# Altium PCB X98_CARRIER_V1R2_12082022.PcbDoc (part 4 of 10)
Units mm, origin at the board's own origin, x right, y up, seen from the top; angles counter-clockwise.
Board outline 100 x 72 mm, 4 copper layers (Top Layer, Layer 1, Layer 2, Bottom Layer), stack 1.543 mm thick; 772 components, 527 nets, 2344 pads, 1194 vias.
Unrouted connection lines stored in the file: 58.
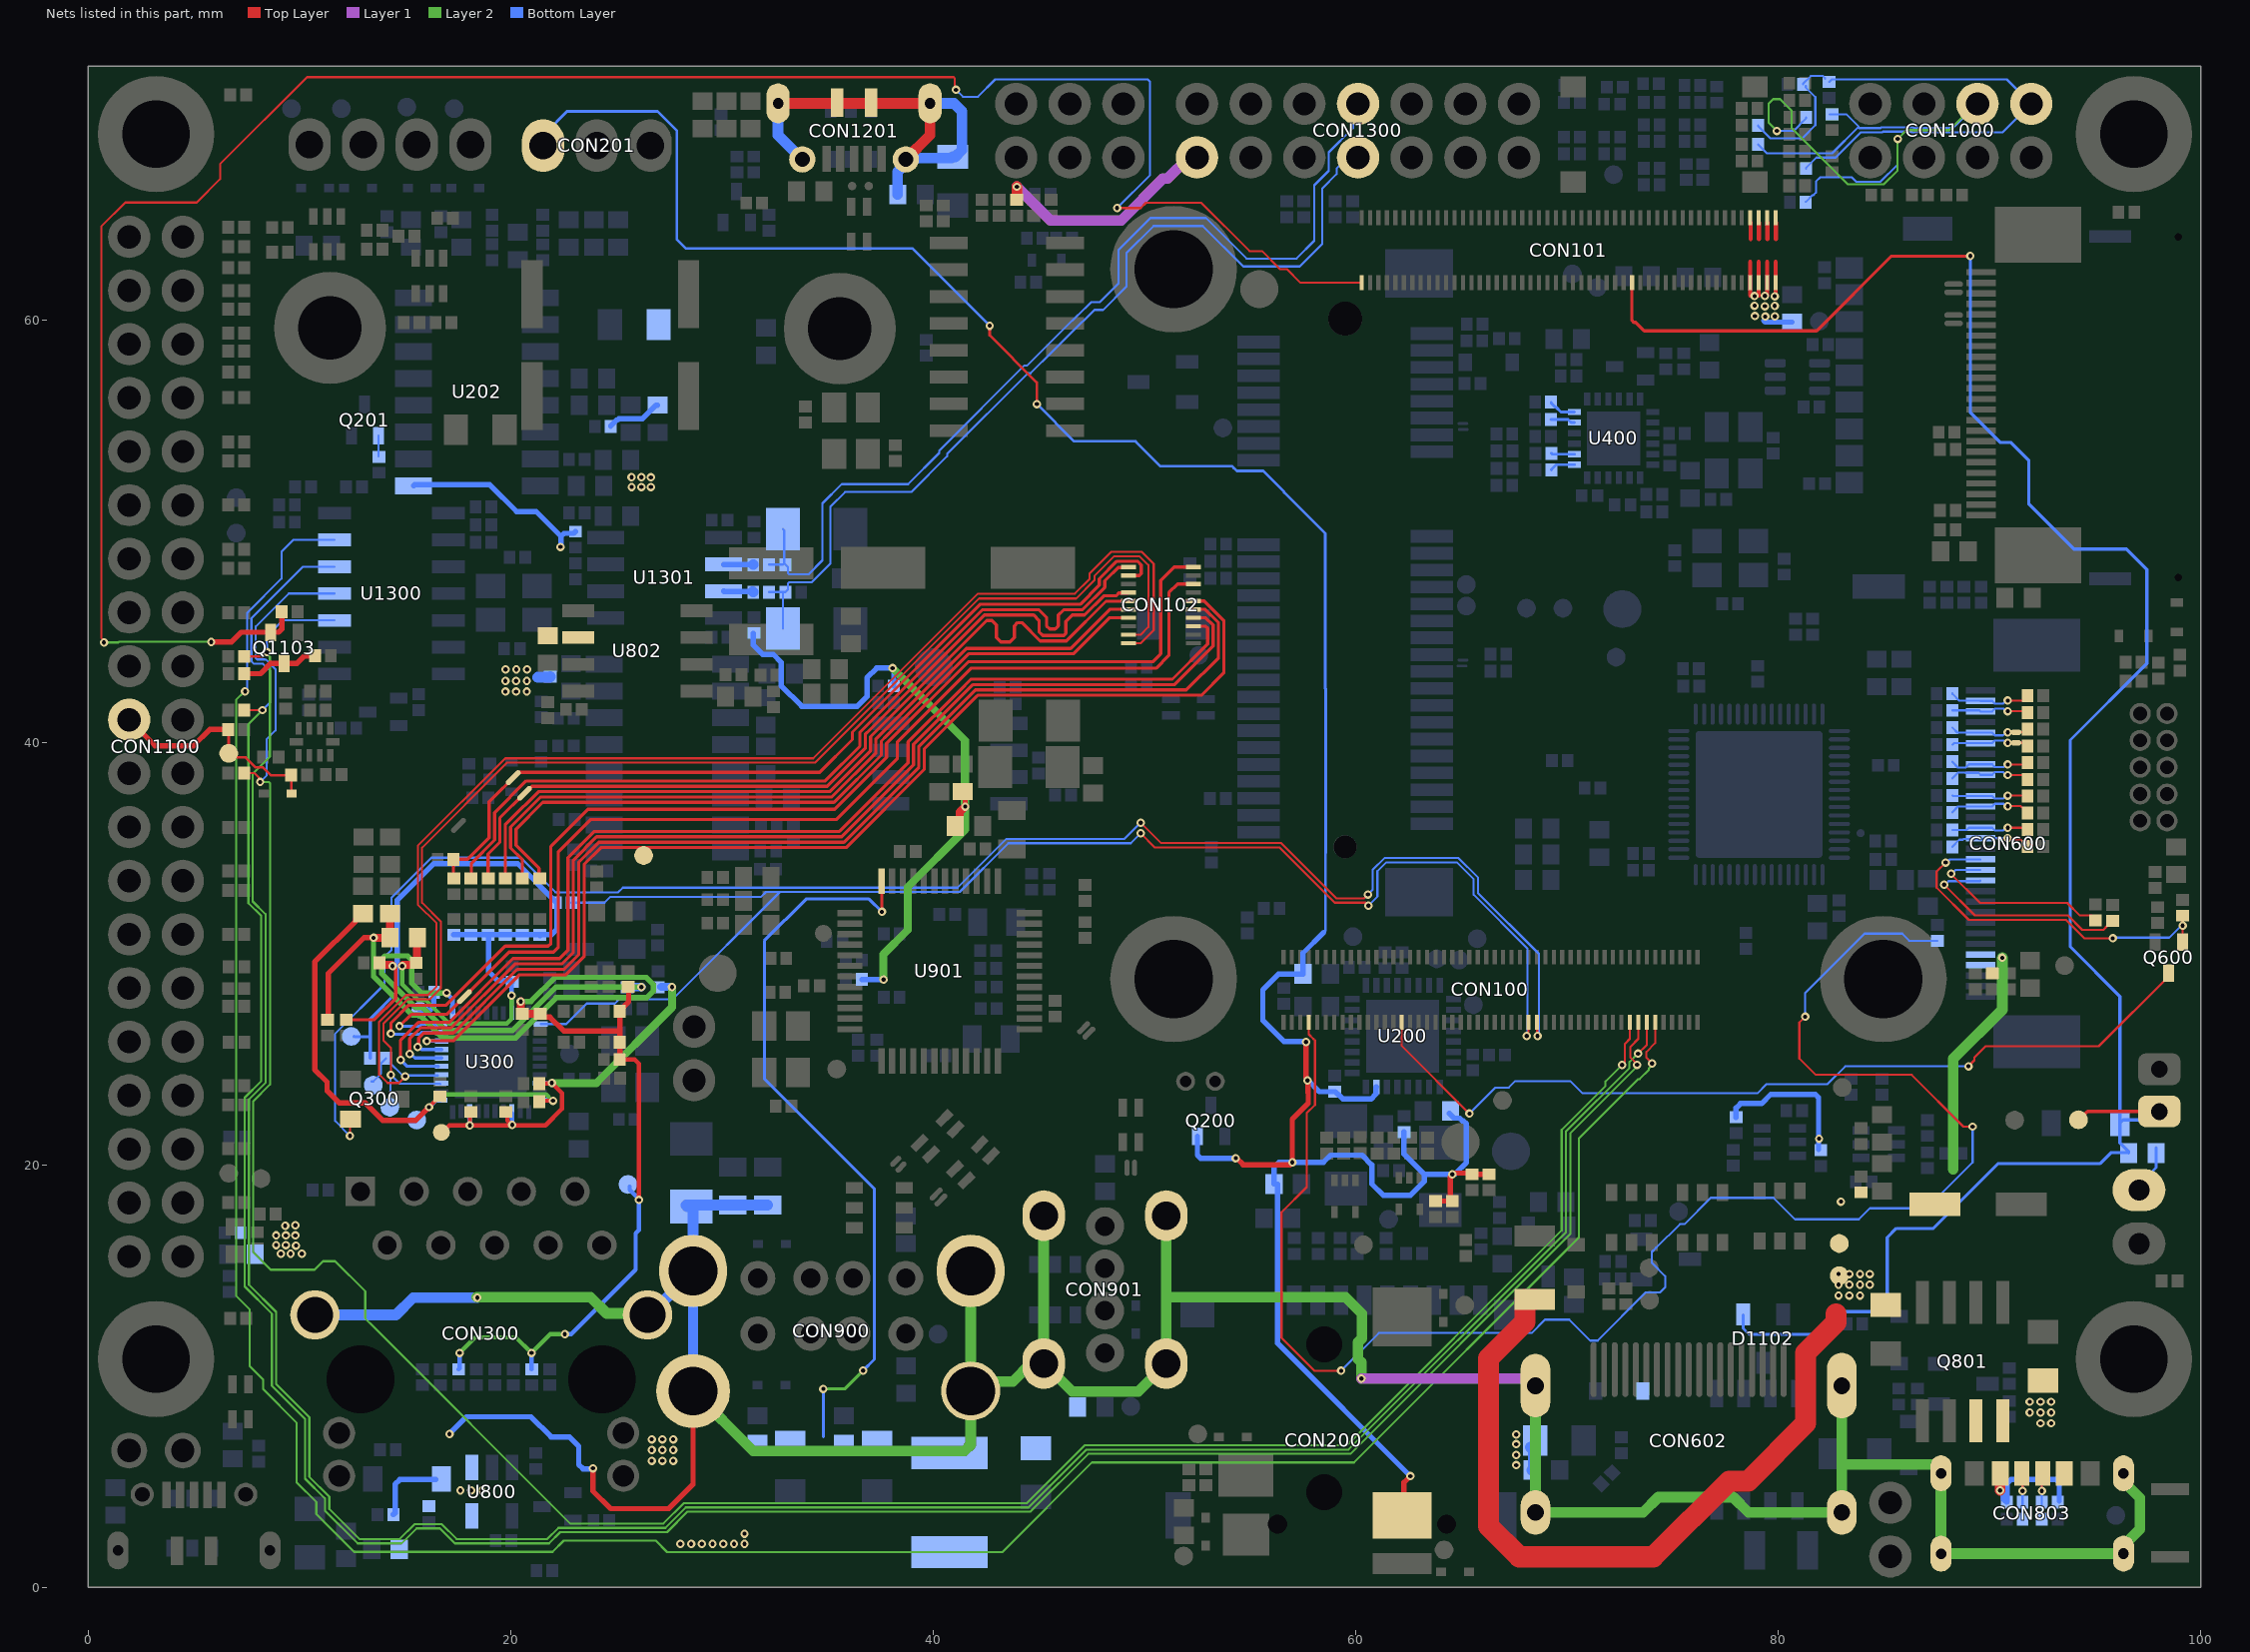
[diagram p6: the nets of this part, all layers, seen from the top]

## Via types
v1: diameter 0.4, hole 0.2, Top Layer to Bottom Layer, tented both sides, 1194 vias

## Nets (pads, with @x,y where several pads share a name; then routed paths per layer and width w, separated by ;. In a path a pad name is that pad's centre, name@x,y a point inside that pad or via, vN(x,y) a via of type N, cw(c..) or ccw(c..) an arc to the next point about the centre after c; other vN are vias at no path point) (continued)
+5V: C102.1 C600.1 C801.1 C802.1 C1102.1 CON101.1 CON101.2 CON101.3 CON101.4 CON101.5 CON101.6 CON101.7 CON101.8 CON600.26 CON600.27 CON1300.14 D604.K F901.1 L202.2 L206.1 L806.2 L909.2 L1101.1 L1200.2 L1300.2 L1305.2 L1310.2 R212.1 R631.2 R633.2 R820.1 R910.2 R1328.1 R1330.2 TP106.1 TP107.1 U202.9 U601.1 U800.5 U802.2 | length 120.2
  Top Layer w0.203: 78.674,61.165 78.674,62.739 ; 78.694,63.826 CON101.7@78.694,64.609 ; v1@79.073,61.165 79.073,62.739 ; 79.094,63.826 CON101.5@79.094,64.609 ; v1@79.474,61.165 79.474,62.739 ; 79.494,63.826 CON101.3@79.494,64.609 ; v1@79.885,61.165 79.885,62.739 ; 79.894,63.826 CON101.1@79.894,64.609
  Top Layer w0.254: v1(41.513,36.961) 41.513,37.655 R1328.1@41.526,37.668
  Top Layer w0.381: L909.2@41.039,36.04 41.255,36.256 41.255,36.698 41.513,36.956 v1(41.513,36.961)
  Top Layer w0.508: L1200.2@43.941,65.68 43.963,65.702 v1(43.963,66.3)
  Top Layer w1: U601.1@68.473,13.628 68.026,13.628 68.021,13.624 68.021,12.573 66.294,10.846 66.294,2.896 67.742,1.448 74.092,1.448 77.677,5.033 78.576,5.033 81.304,7.761 81.304,11.107 82.739,12.543 82.739,12.951
  Layer 1 w0.508: v1(43.963,66.3) 45.552,64.711 48.904,64.711 50.879,66.685 51.082,66.685 52.086,67.69 CON1300.14@52.49,67.69
  Layer 2 w0.381: v1(37.643,28.778) 37.643,29.972 38.786,31.115 38.786,33.147 41.513,35.875 v1(41.513,36.961) v1@41.501,36.949 ; v1@38.07,43.503 38.093,43.503 41.501,40.095 v1@41.501,36.949 ; v1@41.501,36.936 v1@41.501,36.949
  Layer 2 w0.508: 88.29,19.807 88.29,25.023 90.608,27.341 v1(90.608,29.804)
  Bottom Layer w0.254: U202.9@15.399,52.15 15.445,52.197 19.003,52.197 20.273,50.927 21.196,50.927 22.376,49.746 ; v1(22.348,49.255) 22.376,49.283 22.376,49.746 ; L1300.2@23.061,49.974 22.982,49.895 22.525,49.895 22.376,49.746 ; R212.1@24.731,54.957 24.731,54.982 25.008,55.259 25.06,55.259 25.127,55.327 26.243,55.327 26.882,55.966 L206.1@26.945,55.966 ; R1330.2@31.485,45.155 31.482,45.151 31.482,44.599 31.916,44.165 32.423,44.165 32.795,43.792 32.795,42.693 33.776,41.712 36.404,41.712 36.864,42.172 36.864,43.059 37.323,43.518 v1(38.078,43.518) 38.078,43.478 38.136,43.421 L1310.2@38.136,42.673 ; R910.2@36.621,28.778 v1(37.643,28.778) ; R633.2@78.003,22.25 78.003,22.693 78.217,22.907 79.216,22.907 79.644,23.334 81.767,23.334 81.916,23.186 R631.2@81.916,20.721 ; 79.315,59.965 79.388,59.893 C102.1@80.66,59.893
  Bottom Layer w0.508: 21.276,43.074 21.285,43.083 21.845,43.083 L1305.2@21.871,43.108
  other v1: 28.028,2.057 28.536,2.057 29.044,2.057 29.552,2.057 30.06,2.057 30.568,2.057 31.064,2.057 31.064,2.54 17.614,4.594 18.122,4.594 18.63,4.594 26.67,5.994 27.178,5.994 27.686,5.994 26.67,6.502 27.178,6.502 27.686,6.502 26.67,7.01 27.178,7.01 27.686,7.01 82.86,13.817 83.368,13.817 83.876,13.817 82.86,14.325 83.368,14.325 83.876,14.325 84.341,14.331 82.86,14.833 83.368,14.833 83.876,14.833 84.341,14.833 9.119,15.799 9.576,15.799 10.109,15.799 9.83,16.18 8.89,16.205 9.347,16.205 8.89,16.662 9.347,16.662 9.804,16.662 9.322,17.12 9.804,17.145 82.973,18.259 81.937,21.241 19.742,42.402 20.25,42.402 20.758,42.402 19.742,42.91 20.25,42.91 20.758,42.91 19.752,43.455 20.26,43.455 20.768,43.455 25.721,52.091 26.18,52.091 26.636,52.089 25.716,52.55 26.18,52.55 26.636,52.549 79.389,60.16 79.845,60.17 78.899,60.182 79.371,60.649 78.882,60.671 79.838,60.663 78.882,61.13 79.371,61.133 79.838,61.122
+VBACKUP: CON101.36 CON801.1 D804.K D1102.1 R806.1 TP114.1 | length 100.3
  Top Layer w0.15: CON101.36@73.075,61.757 73.075,59.97 73.163,59.882 73.259,59.882 73.657,59.484 81.826,59.484 85.366,63.023 v1(89.096,63.023) ; TP114.1@94.219,22.138 94.258,22.138 94.65,22.53 CON801.1@98.05,22.53
  Bottom Layer w0.15: D1102.1@78.339,12.899 78.347,12.891 78.347,12.262 78.63,11.979 81.77,11.979 82.841,13.049 84.83,13.049 85.166,13.386 85.166,16.561 85.598,16.993 87.351,16.993 90.424,20.066 95.25,20.066 95.758,20.574 R806.1@96.597,20.574 ; 89.096,56.109 v1(89.096,63.023) ; 89.103,56.109 89.103,55.601 90.5,54.204 91.008,54.204 91.872,53.34 91.872,51.274 93.997,49.149 96.495,49.149 97.46,48.184 97.46,43.739 93.828,40.107 93.828,30.328 96.181,27.974 D804.K@96.181,21.978 ; R806.1@96.597,20.563 96.597,20.626 96.181,21.042 D804.K@96.181,21.978 ; CON801.1@98.05,22.53 97.65,22.13 96.333,22.13 D804.K@96.181,21.978
+VBUS_USB: C900.1 C901.1 C902.1 F901.2 L903.2 L907.2 L908.2 U901.48 | length 35.3
  Top Layer w0.152: U901.48@37.555,33.423 37.561,33.417 37.561,31.985 v1(37.567,31.979)
  Layer 2 w0.152: v1(34.798,9.398) 35.814,9.398 v1(36.678,10.262)
  Bottom Layer w0.152: 34.798,7.137 v1(34.798,9.398) ; v1(36.678,10.262) 37.211,10.795 37.211,18.872 32.004,24.079 32.004,30.607 33.985,32.588 36.957,32.588 v1(37.567,31.979)
+VBUS_USB1_OTG: C800.1 D805.A L807.1 R801.2 U800.1 | length 3.5
  Bottom Layer w0.254: R801.2@14.438,3.446 14.523,3.531 14.523,4.877 14.748,5.102 D805.A@16.445,5.102
+VIN_USB: CON802.2 CON803.A9 CON803.B9 L803.1 Q801.D1 R806.2 R807.1 R808.1 | length 8.1
  Top Layer w0.508: CON803.B9@90.51,5.4 90.512,5.398 v1(90.512,4.594)
  Bottom Layer w0.127: CON802.2@97.083,18.81 97.083,19.067 97.897,19.881 R806.2@97.897,20.817
  Bottom Layer w0.254: v1(90.512,4.594) 90.512,4.554 90.669,4.397 90.669,4.182 R808.1@90.766,4.086 ; R808.1@90.822,4.033 90.846,4.057 90.846,4.928 91.02,5.102 93.157,5.102 93.306,4.953 R807.1@93.306,4.086
  other v1: 92.417,7.769 92.925,7.769 91.909,8.277 92.417,8.277 92.925,8.277 91.909,8.785 92.417,8.785 92.925,8.785
AGND: C201.2 C202.1 C204.1 C208.2 C210.1 C214.2 CON200.4 CON201.1 L211.2 Q200.2 R202.2 R203.2 U200.7 | length 132.8
  Top Layer w0.127: v1(42.671,59.726) 42.671,59.272 44.898,57.044 44.898,56.028 v1(44.91,56.016)
  Top Layer w0.254: v1(54.322,20.317) 54.362,20.317 54.671,20.008 56.882,20.008 v1(56.999,20.124) 56.999,22.165 57.752,22.918 57.752,23.416 57.745,23.422 57.745,23.97 v1(57.717,23.998) ; v1(57.649,25.816) 57.649,24.14 v1@57.752,24.037 ; CON200.4@62.2,3.4 62.287,3.487 62.287,4.967 v1(62.589,5.269) ; R202.2@63.775,18.287 C204.1@64.572,18.287 ; C204.1@64.546,18.287 64.482,18.352 64.482,19.428 64.572,19.518 v1(64.572,19.557) 64.611,19.557 64.667,19.613 65.324,19.613 65.375,19.562 65.375,19.557 C208.2@66.188,19.557
  Bottom Layer w0.127: CON201.1@21.672,68.417 21.672,68.881 22.66,69.868 26.949,69.868 27.864,68.953 27.864,63.805 28.293,63.376 39.021,63.376 v1(42.671,59.726) ; v1(44.91,56.016) 46.676,54.25 49.571,54.25 50.748,53.074 54.154,53.074 54.234,52.994 54.234,52.985 54.372,52.846 55.624,52.846 56.612,51.858 56.612,51.834 58.554,49.892 58.554,42.556 58.583,42.527 58.583,38.415 58.582,38.413 58.582,35.106 ccw(c59.499,35.053) 58.581,35.038 58.581,34.942 58.581,34.845 58.573,34.64 58.573,31.095 58.487,31.009
  Bottom Layer w0.254: Q200.2@52.508,21.346 52.508,20.465 52.657,20.317 v1(54.322,20.317) ; L211.2@56.134,19.09 56.134,19.884 56.375,20.124 v1(56.999,20.124) 58.476,20.124 58.816,20.465 60.301,20.465 60.766,19.999 60.766,19.103 61.306,18.564 62.596,18.564 63.247,19.214 63.247,19.557 ; L211.2@56.303,19.09 56.303,11.555 62.584,5.274 v1@62.584,5.264 ; v1(57.649,25.816) 57.62,25.845 56.595,25.845 55.604,26.836 55.604,28.29 56.353,29.039 C210.1@57.505,29.039 57.505,30.027 58.487,31.009 ; v1(57.717,23.998) 57.752,23.998 58.283,23.467 59.023,23.467 59.176,23.314 59.201,23.314 59.4,23.116 60.722,23.116 60.955,23.348 60.955,23.671 U200.7@60.978,23.694 ; C201.2@62.284,21.557 62.284,20.52 63.247,19.557 ; C202.1@64.435,22.431 64.651,22.215 64.923,22.215 65.054,22.084 65.105,22.084 65.239,21.95 65.239,20.11 64.715,19.585 64.6,19.585 v1(64.572,19.557) 63.247,19.557
AIN_0: CON1100.21 D1101.2 R1125.1 R1132.1 TP1100.1 | length 10.9
  Top Layer w0.127: R1125.1@6.626,40.613 6.646,40.592 TP1100.1@6.646,39.479 6.852,39.479 7.043,39.288 7.458,39.288 7.928,38.818 8.27,38.818 8.648,38.439 9.587,38.439 R1132.1@9.604,38.456 9.604,37.603 D1101.2@9.628,37.579
  Top Layer w0.254: CON1100.21@1.93,41.07 3.159,39.841 4.979,39.841 5.75,40.613 R1125.1@6.626,40.613
AMP_EN: Q201.1 R127.1 | length 1
  Bottom Layer w0.102: R127.1@13.744,53.54 Q201.1@13.744,54.52
AVDD10: C302.2 C308.2 C311.2 R324.1 TP304.1 U300.3 U300.8 U300.38 | length 19.7
  Top Layer w0.203: TP304.1@16.739,21.59 16.815,21.59 17.094,21.869 v1(18.059,21.869) 18.059,22.428 C311.2@18.11,22.479 ; v1@18.085,21.869 21.641,21.869 22.428,22.657 22.428,23.393 v1(21.946,23.876) ; C308.2@19.837,22.403 19.837,22.098 20.041,21.895 v1(20.066,21.895) ; C302.2@21.355,23.851 v1@21.946,23.851
  Layer 2 w0.381: v1(21.946,23.876) 24.054,23.876 27.635,27.457 v1(27.635,28.423)
  Bottom Layer w0.203: v1(18.059,21.869) 18.055,21.874 18.055,22.525 U300.8@18.059,22.53 ; U300.3@20.041,22.454 20.058,22.436 20.058,21.903 v1(20.066,21.895) ; U300.38@21.463,23.876 21.468,23.871 21.941,23.871 v1(21.946,23.876)
  Bottom Layer w0.381: R324.1@27.127,28.423 v1(27.635,28.423)
AVDD33: C303.2 C313.2 L302.2 TP310.1 U300.11 U300.40 | length 25
  Top Layer w0.203: v1(16.129,22.733) 16.439,23.043 16.439,23.115 16.616,23.292 C313.2@16.642,23.292 ; C303.2@21.336,23.012 21.361,23.038 v1(21.996,23.038)
  Top Layer w0.254: L302.2@13.007,31.895 12.944,31.895 12.664,31.616 12.664,31.552 10.719,29.607 10.719,24.511 11.303,23.927 11.303,23.503 11.87,22.936 13.106,22.936 13.945,22.098 15.494,22.098 16.104,22.708 v1@16.104,22.733
  Layer 2 w0.203: v1(16.129,22.733) 16.739,23.343 21.666,23.343 v1@21.946,23.063
  Bottom Layer w0.203: TP310.1@15.519,22.174 15.583,22.174 v1@16.129,22.72 ; v1(16.129,22.733) v1@16.129,22.721 ; U300.11@16.675,23.067 16.475,23.067 v1@16.129,22.721 ; U300.40@21.514,23.063 21.525,23.052 21.982,23.052 v1(21.996,23.038)
CAN_H: L1301.1 U1301.7 | length 1.4
  Bottom Layer w0.254: U1301.7@30.082,47.159 30.104,47.137 L1301.1@31.458,47.137
  Bottom Layer w0.508: L1301.1@31.458,47.137 L1301.1@31.48,47.114
CAN_H_N: C1306.2 CON1300.7 L1304.2 R1306.1 | length 45.8
  Bottom Layer w0.102: L1304.2@32.23,48.414 32.882,48.414 32.941,48.474 32.941,50.034 R1306.1@32.882,50.094 ; C1306.2@33.001,48.414 33.12,48.295 33.12,48.011 33.18,47.951 34.087,47.951 34.755,48.619 34.755,51.312 35.668,52.224 38.804,52.224 40.283,53.704 40.283,53.807 44.322,57.845 44.451,57.845 45.278,58.672 46.246,59.64 47.488,60.844 47.89,60.844 48.771,61.725 48.771,63.312 50.282,64.822 52.914,64.822 54.834,62.902 57.196,62.902 58.041,63.748 58.041,66.374 58.722,67.055 58.722,67.932 59.868,69.078 59.868,69.988 CON1300.7@60.11,70.23
CAN_H_P: C1303.1 CON1300.8 L1301.2 R1303.2 | length 44.1
  Bottom Layer w0.102: L1301.2@32.23,47.114 C1303.1@32.882,47.114 ; R1303.2@32.882,45.394 C1303.1@32.882,47.114 ; CON1300.8@60.11,67.69 59.628,67.69 59.096,67.158 59.096,66.901 58.415,66.22 58.415,63.593 57.351,62.528 54.679,62.528 52.759,64.449 50.437,64.449 49.145,63.157 49.145,61.57 48.045,60.471 47.639,60.471 46.508,59.374 45.652,58.517 44.606,57.471 44.476,57.471 40.657,53.652 40.657,53.549 38.958,51.85 35.823,51.85 35.129,51.157 35.129,48.464 34.242,47.578 33.18,47.578 33.12,47.518 33.12,47.233 C1303.1@33.001,47.114 C1303.1@32.882,47.114
CAN_L: L1304.1 U1301.6 | length 1.4
  Bottom Layer w0.102: L1304.1@31.473,48.422 L1304.1@31.473,48.429
  Bottom Layer w0.254: U1301.6@30.082,48.429 30.089,48.422 31.466,48.422 L1304.1@31.473,48.429
  Bottom Layer w0.508: L1304.1@31.473,48.422 L1304.1@31.48,48.414
CC1: CON803.A5 R808.2 R812.1 | length 2.1
  Top Layer w0.102: CON803.A5@91.53,5.4 91.572,5.358 v1(91.572,4.567)
  Bottom Layer w0.102: R812.1@91.572,3.281 R808.2@91.572,4.033 v1(91.572,4.567)
CC2: CON803.B5 R807.2 R811.1 | length 2.1
  Top Layer w0.102: v1(92.487,4.567) 92.487,5.357 CON803.B5@92.53,5.4
  Bottom Layer w0.102: R811.1@92.487,3.281 R807.2@92.487,4.033 v1(92.487,4.567)
CHASIS: C314.1 C315.1 C925.1 CON300.15 CON300.16 CON602.G1 CON602.G2 CON602.G3 CON602.G4 CON803.S1 CON803.S2 CON803.S3 CON803.S4 CON900.9 CON900.10 CON900.11 CON900.12 CON901.G1 CON901.G2 CON901.G3 CON901.G4 L301.1 L911.2 | length 168.6
  Top Layer w0.254: v1(23.888,5.635) 23.888,4.567 24.727,3.727 27.476,3.727 28.63,4.881 28.63,8.175 CON900.10@28.6,8.204
  Layer 1 w0.508: v1(60.271,9.881) 68.181,9.881 CON602.G1@68.512,9.55
  Layer 2 w0.508: v1@18.39,13.741 23.774,13.741 24.545,12.971 26.404,12.971 CON300.15@26.475,12.9 ; CON900.9@28.593,14.98 CON900.9@28.63,14.98 ; CON900.10@28.63,9.3 31.478,6.452 41.472,6.452 41.77,6.749 CON900.12@41.77,9.3 ; CON900.11@41.77,14.98 CON900.12@41.77,9.3 ; CON901.G4@45.082,10.748 45.23,10.897 CON901.G3@45.23,17.6 ; CON901.G2@51.03,17.6 51.03,13.741 ; v1(60.271,9.881) 60.271,10.652 60.112,10.811 60.112,11.598 60.3,11.786 60.3,12.954 59.512,13.741 51.03,13.741 ; CON602.G1@68.512,9.55 CON602.G2@68.512,3.55 73.603,3.55 74.32,4.267 77.876,4.267 78.594,3.55 CON602.G3@83.012,3.55 83.012,5.817 ; CON602.G4@83.012,9.55 83.012,5.817 ; CON803.S1@87.483,5.844 87.71,5.617 CON803.S1@87.71,5.4 CON803.S3@87.71,1.595 87.713,1.597 96.347,1.597 CON803.S4@96.35,1.6 96.35,1.982 97.13,2.761 97.13,4.239 96.35,5.018 CON803.S2@96.35,5.4 ; CON803.S1@87.605,5.817 83.012,5.817 ; CON900.12@41.77,9.3 42.209,9.739 43.775,9.739 44.637,10.6 45.255,10.6 46.584,9.271 49.701,9.271 CON901.G1@51.03,10.6 51.03,13.741
  Bottom Layer w0.254: v1(17.094,7.264) 17.907,8.077 20.955,8.077 21.911,7.121 22.774,7.121 23.216,6.679 23.216,5.817 23.419,5.613 v1@23.876,5.613 ; C314.1@30.582,18.034 C314.1@30.647,18.099
  Bottom Layer w0.457: CON900.9@28.473,14.3 28.63,14.144 CON900.10@28.63,9.3
  Bottom Layer w0.508: CON300.16@11.278,13.005 11.382,12.9 14.567,12.9 15.383,13.716 v1(18.415,13.716) ; CON300.15@26.365,12.878 26.553,12.878 28.63,14.955 CON900.9@28.63,14.98 ; CON300.15@26.365,13.589 CON300.15@26.475,13.699 ; C315.1@28.296,18.085 28.31,18.099 C314.1@30.505,18.099 ; C315.1@28.35,18.034 C315.1@28.55,18.034 28.63,17.954 28.63,15.515 CON900.9@28.702,15.443 ; C314.1@30.647,18.099 L301.1@32.156,18.099 ; L911.2@68.275,6.629 68.417,6.488 68.417,5.621 C925.1@68.344,5.548
  other v1: 67.602,5.788 67.602,6.271 67.602,6.779 67.602,7.236
CHASIS2: C1204.1 CON1201.G1 CON1201.G2 CON1201.G3 CON1201.G4 CON1201.G5 CON1201.G6 L1201.2 | length 21.6
  Top Layer w0.508: CON1201.G6@32.65,70.25 CON1201.G5@39.85,70.25 39.85,68.75 CON1201.G1@38.7,67.6
  Bottom Layer w0.508: CON1201.G6@32.65,70.25 32.65,68.75 CON1201.G2@33.8,67.6 ; C1204.1@38.315,65.935 38.315,67.014 38.7,67.399 CON1201.G1@38.7,67.6 38.761,67.661 40.861,67.661 L1201.2@40.922,67.722 41.042,67.722 41.363,68.043 41.363,69.872 40.985,70.25 CON1201.G5@39.85,70.25
"CONFIG 1": CON1000.1 R1012.2 R1013.2 R1014.2 R1018.2 | length 28.6
  Bottom Layer w0.102: R1013.2@79.056,69.202 79.056,69.177 79.64,68.593 81.139,68.593 81.762,69.217 81.762,70.547 81.311,70.998 R1014.2@81.311,71.074 ; R1014.2@81.184,71.15 81.184,71.176 81.551,71.542 82.113,71.542 82.226,71.43 R1018.2@82.226,71.418 ; R1012.2@81.317,67.162 81.317,67.187 81.812,67.681 82.722,67.681 83.915,68.874 84.922,68.874 84.964,68.917 86.296,68.917 86.338,68.874 90.624,68.874 91.961,70.211 91.961,70.249 90.828,71.382 82.538,71.382 R1018.2@82.418,71.263
"CONFIG 2": CON1000.3 R1019.2 R1023.2 R1024.2 R1025.2 | length 37.8
  Layer 2 w0.102: v1(79.941,68.945) 79.547,69.339 79.547,70.234 79.766,70.453 80.091,70.453 80.634,69.91 80.634,69.084 83.3,66.418 85.001,66.418 85.656,67.073 v1(85.656,68.564) 86.074,68.982 88.104,68.982 CON1000.3@89.421,70.299
  Bottom Layer w0.102: R1023.2@79.056,68.317 79.056,68.291 79.463,67.885 82.55,67.885 83.786,69.12 ; v1(79.941,68.945) 80.742,68.945 81.013,69.217 81.013,69.241 81.331,69.559 R1019.2@81.331,69.584 ; R1024.2@81.305,65.587 81.615,65.897 81.659,65.897 81.79,66.027 81.79,66.547 81.996,66.753 83.485,66.753 83.7,66.538 84.837,66.538 85.656,67.356 v1(85.656,68.564) ; R1025.2@82.444,69.734 83.224,69.734 83.812,69.146 83.786,69.12 ; CON1000.3@89.44,70.23 88.288,69.078 86.423,69.078 86.38,69.12 84.88,69.12 84.837,69.078 83.828,69.078 83.786,69.12
D1_N: CON600.3 R607.2 R608.2 | length 3.7
  Top Layer w0.102: v1(90.868,41.476) 91.744,41.476 R608.2@91.806,41.415
  Bottom Layer w0.102: R607.2@88.256,41.513 89.531,41.513 CON600.3@89.581,41.463 90.131,41.463 90.259,41.591 90.673,41.591 90.788,41.476 v1(90.868,41.476)
D1_P: CON600.2 R605.2 R606.2 | length 3.9
  Top Layer w0.102: v1(90.868,41.978) 91.577,41.978 R606.2@91.806,42.206
  Bottom Layer w0.102: R605.2@88.256,42.315 88.256,42.29 88.569,41.977 89.566,41.977 CON600.2@89.581,41.963 90.131,41.963 90.259,41.834 90.645,41.834 90.789,41.978 v1(90.868,41.978)
D2_N: CON600.6 R637.2 R638.2 TP601.1 | length 3.8
  Top Layer w0.102: v1@90.885,39.961 v1(90.868,39.978) 91.658,39.978 R638.2@91.806,39.83
  Bottom Layer w0.102: R637.2@88.256,39.893 88.325,39.963 90.131,39.963 90.259,40.091 90.674,40.091 90.788,39.978 v1(90.868,39.978)
D2_P: CON600.5 R635.2 R636.2 TP600.1 | length 3.8
  Top Layer w0.102: v1(90.868,40.479) 91.663,40.479 R636.2@91.806,40.622
  Bottom Layer w0.102: R635.2@88.256,40.696 88.256,40.691 88.484,40.463 90.131,40.463 90.259,40.334 90.644,40.334 90.789,40.479 v1(90.868,40.479)
D3_N: CON600.9 R641.2 R642.2 | length 3.9
  Top Layer w0.102: v1(90.868,38.454) 91.598,38.454 R642.2@91.806,38.245
  Bottom Layer w0.102: R641.2@88.256,38.288 88.256,38.313 88.51,38.567 88.872,38.567 88.878,38.562 89.482,38.562 CON600.9@89.581,38.463 90.131,38.463 90.259,38.591 90.652,38.591 90.789,38.454 v1(90.868,38.454)
D3_P: CON600.8 R639.2 R640.2 | length 3.9
  Top Layer w0.102: v1(90.868,38.955) 91.723,38.955 R640.2@91.806,39.038
  Bottom Layer w0.102: R639.2@88.256,39.09 88.256,39.065 88.51,38.811 88.879,38.811 89.031,38.963 CON600.8@89.581,38.963 90.131,38.963 90.259,38.834 90.667,38.834 90.788,38.955 v1(90.868,38.955)
D4_N: CON600.12 R645.2 R646.2 | length 3.9
  Top Layer w0.102: v1(90.868,36.98) 91.486,36.98 91.552,36.914 91.577,36.914 91.806,36.686 R646.2@91.806,36.66
  Bottom Layer w0.102: R645.2@88.256,36.682 88.256,36.707 88.51,36.962 CON600.12@89.58,36.962 ; CON600.12@89.581,36.963 90.131,36.963 90.259,37.091 90.677,37.091 90.788,36.98 v1(90.868,36.98)
D4_P: CON600.11 R643.2 R644.2 | length 3.7
  Top Layer w0.102: v1(90.868,37.482) 91.777,37.482 R644.2@91.806,37.453
  Bottom Layer w0.102: R643.2@88.256,37.485 88.278,37.463 90.131,37.463 90.259,37.334 90.641,37.334 90.789,37.482 v1(90.868,37.482)
D5_N: CON600.15 R649.2 R650.2 | length 3.9
  Top Layer w0.102: v1(90.868,35.456) 90.914,35.411 91.471,35.411 91.552,35.33 91.577,35.33 91.806,35.101 R650.2@91.806,35.076
  Bottom Layer w0.102: R649.2@88.256,35.046 88.256,35.072 88.576,35.392 88.753,35.392 88.787,35.426 90.094,35.426 90.131,35.463 90.134,35.46 90.865,35.46 v1(90.868,35.456)
D5_P: CON600.14 R647.2 R648.2 | length 3.7
  Top Layer w0.102: v1(90.868,35.958) 91.716,35.958 R648.2@91.806,35.868
  Bottom Layer w0.102: R647.2@88.256,35.849 88.917,35.849 89.031,35.963 90.131,35.963 90.259,35.834 90.664,35.834 90.788,35.958 v1(90.868,35.958)
DIFF0_N: R416.1 U400.14 | length 1.1
  Bottom Layer w0.128: R416.1@69.262,53.686 69.307,53.641 U400.14@70.35,53.641
DIFF0_P: R415.1 U400.13 | length 1.2
  Bottom Layer w0.128: R415.1@69.262,52.893 69.262,52.919 69.485,53.141 U400.13@70.35,53.141
DIFF1_N: R420.1 U400.18 | length 1.3
  Bottom Layer w0.128: R420.1@69.25,56.104 69.25,56.078 69.466,55.863 69.491,55.863 69.713,55.641 U400.18@70.35,55.641
DIFF1_P: R419.1 U400.17 | length 1.2
  Bottom Layer w0.128: R419.1@69.241,55.285 70.056,55.285 70.2,55.141 U400.17@70.35,55.141
DISP_CON_O1: CON600.18 R113.1 | length 9.2
  Top Layer w0.102: v1(88.195,33.78) 88.195,33.766 89.562,32.4 93.18,32.4 93.69,32.4 94.284,31.806 94.82,31.806 R113.1@95.048,31.577
  Bottom Layer w0.102: v1(88.195,33.78) 88.221,33.78 88.404,33.963 CON600.18@89.581,33.963
DISP_CON_O2: CON600.19 R116.1 | length 10.8
  Top Layer w0.102: v1(87.859,33.264) 89.314,31.809 93.718,31.809 94.398,31.129 95.4,31.129 95.505,31.235 95.505,31.247 95.81,31.552 R116.1@95.836,31.552
  Bottom Layer w0.102: v1(87.859,33.264) 87.904,33.264 88.068,33.428 89.546,33.428 CON600.19@89.581,33.463
DISP_INT: CON600.17 Q600.1 R619.2 | length 17.4
  Top Layer w0.102: v1(87.926,34.311) 87.507,33.891 87.507,33.118 89.027,31.598 93.624,31.598 94.497,30.725 v1(95.844,30.725) ; Q600.1@99.142,30.549 99.147,30.554 R619.2@99.147,31.947
  Bottom Layer w0.102: v1(87.926,34.311) 87.99,34.311 88.135,34.456 89.574,34.456 CON600.17@89.581,34.463 ; v1(95.844,30.725) 95.877,30.758 98.517,30.758 99.084,31.325 v1(99.149,31.325)
DSI/LVDS_CON_INT: CON100.72 Q600.3 | length 42.2
  Top Layer w0.102: CON100.72@62.179,26.815 62.179,25.633 v1(65.385,22.428) ; v1(89.008,24.667) 89.292,24.951 89.292,25.084 89.824,25.616 95.177,25.616 98.482,28.921 Q600.3@98.482,29.076
  Bottom Layer w0.102: v1(65.385,22.428) 66.618,23.66 67.242,23.66 67.552,23.97 70.158,23.97 70.738,23.389 79.016,23.389 79.446,23.819 82.327,23.819 83.175,24.667 v1(89.008,24.667)
DSI_GPIO: CON100.94 R604.1 | length 78.8
  Top Layer w0.102: CON100.94@57.779,26.815 57.779,26.184 58.001,25.962 58.001,25.955 58.07,25.886 58.07,22.841 57.683,22.454 57.683,18.948 56.49,17.755 56.49,11.808 58.043,10.254 v1(59.309,10.254) ; v1(81.28,27.018) 81.001,26.739 81.001,25.041 81.779,24.263 86.321,24.263 88.773,21.811 v1(89.204,21.811) 89.248,21.811 v1@89.256,21.819
  Bottom Layer w0.102: v1(59.309,10.254) 61.094,12.04 68.326,12.04 68.961,12.675 70.114,12.675 71.101,11.687 71.117,11.687 71.12,11.684 71.45,11.684 73.736,13.97 74.422,13.97 74.651,14.199 74.651,14.732 74.016,15.367 74.016,15.875 74.219,16.078 ; 74.225,16.072 75.349,17.196 75.565,17.196 76.81,18.44 79.781,18.44 80.797,17.424 83.82,17.424 84.341,17.945 87.033,17.945 88.646,19.558 89.204,20.116 v1(89.204,21.811) ; v1(81.28,27.018) 81.28,28.141 84.087,30.949 85.87,30.949 86.207,30.612 R604.1@87.539,30.612
DVDD10: C312.1 R322.1 TP302.1 U300.21 | length 23
  Layer 2 w0.254: v1@16.916,28.143 15.773,28.143 15.316,28.6 15.316,29.693 15.113,29.896 14.043,29.896 13.894,29.747 13.894,29.048 15.484,27.457 15.824,27.457 16.916,26.365 20.091,26.365 22.149,28.423 v1(26.187,28.423)
  Bottom Layer w0.203: C312.1@16.371,28.173 16.402,28.143 16.942,28.143 17.25,27.835 U300.21@17.25,27.242
  Bottom Layer w0.254: TP302.1@15.697,27.33 16.183,27.33 16.341,27.488 16.341,27.999 C312.1@16.434,28.092
  Bottom Layer w0.381: R322.1@25.578,28.397 25.6,28.419 26.184,28.419 v1(26.187,28.423)
  other v1: 16.967,28.143
DVDD33: C307.1 C309.1 L303.2 R302.2 R304.1 R305.1 R306.1 R309.2 R318.2 R338.2 R347.2 TP311.1 U300.29 | length 65.1
  Top Layer w0.203: R304.1@25.16,24.989 25.862,24.989 26.06,24.79 v1(26.06,18.339)
  Top Layer w0.254: R338.2@11.354,26.899 11.354,29.058 13.056,30.759 R347.2@14.285,30.759 ; R347.2@14.183,30.75 R347.2@14.199,30.734 ; C307.1@21.392,27.146 21.544,26.994 21.85,26.994 22.504,26.34 25.16,26.34 ; R304.1@25.16,24.989 R305.1@25.16,25.802 25.16,26.34 ; R318.2@25.603,28.372 25.578,28.346 25.578,27.718 25.16,27.3 R306.1@25.16,27.275 25.16,26.34
  Top Layer w0.381: v1(13.501,30.75) R347.2@14.183,30.75 ; L303.2@14.272,31.895 14.279,31.889 R347.2@14.279,30.916 ; v1(20.472,27.737) 20.476,27.733 C309.1@20.476,27.156 ; C309.1@20.549,27.147 C307.1@21.392,27.146
  Layer 2 w0.203: v1(17.577,11.1) 18.313,11.836 20.244,11.836 v1(20.98,11.1) 21.869,11.989 v1(22.555,11.989)
  Layer 2 w0.254: v1@13.487,30.734 13.501,30.72 13.501,28.917 15.321,27.097 15.682,27.097 16.769,26.01 20.239,26.01 22.144,27.915 26.441,27.915 26.746,28.219 26.746,28.55 26.416,28.88 22.098,28.88 20.955,27.737 v1(20.472,27.737)
  Bottom Layer w0.203: R309.2@17.531,10.326 17.577,10.372 v1(17.577,11.1) ; U300.29@20.447,27.33 20.461,27.345 20.461,27.726 v1(20.472,27.737) ; v1(20.98,11.1) 20.98,10.33 R302.2@20.985,10.326 ; v1(22.555,11.989) 22.86,11.989 25.908,15.037 25.908,16.764 26.06,16.916 v1(26.06,18.339) 26.06,18.392 25.629,18.824 TP311.1@25.629,18.974
DVDDRG: C316.1 C317.1 R316.2 R331.1 R333.1 R335.1 R337.1 R339.2 R340.1 R342.1 R344.1 R347.1 R348.2 TP312.1 U300.28 | length 42.9
  Top Layer w0.152: R339.2@12.213,26.873 13.544,26.873 14.554,27.883 v1@14.554,29.312
  Top Layer w0.381: R348.2@13.843,29.489 13.856,29.477 v1@14.364,29.477 ; v1(14.402,29.413) v1@14.402,29.439 ; v1(14.859,29.413) 14.859,29.439 14.897,29.477 15.405,29.477 15.418,29.489 C317.1@15.418,29.515 ; C317.1@15.519,29.56 15.552,29.593 15.552,30.726 R347.1@15.545,30.734
  Layer 2 w0.203: v1@14.859,29.362 14.859,28.55 15.621,27.788 15.977,27.788 17.069,26.695 19.812,26.695 20.041,26.924 v1(20.041,28.016)
  Bottom Layer w0.152: TP312.1@12.573,26.086 12.598,26.06 13.341,26.06 ; R340.1@13.341,25.044 13.341,26.06 ; 14.63,29.337 14.63,28.194 13.341,26.905 13.341,26.06
  Bottom Layer w0.203: U300.28@20.041,27.356 20.045,27.361 20.045,28.011 v1(20.041,28.016) C316.1@20.041,28.677
  Bottom Layer w0.254: 14.63,29.439 14.63,32.537 16.358,34.265 20.32,34.265 22.174,32.41 22.174,31.14 21.926,30.893 R331.1@21.366,30.893 ; R333.1@17.302,30.893 R335.1@18.115,30.893 R337.1@20.553,30.893 21.355,30.893 R331.1@21.387,30.861 ; R344.1@18.948,30.861 18.948,29.159 19.385,28.723 20.011,28.723 C316.1@20.071,28.663
ECSPI2_MISO_3V3: CON100.16 R1124.1 U1300.12 | length 129.2
  Top Layer w0.102: R1124.1@7.375,41.527 v1(8.239,41.527) ; v1(73.324,24.736) 73.289,24.771 73.289,24.804 73.006,25.087 73.006,25.597 73.379,25.97 CON100.16@73.379,26.757 CON100.16@73.379,26.815
  Layer 2 w0.102: v1(8.239,41.527) 7.579,40.866 7.579,32.392 8.185,31.785 8.185,23.968 7.398,23.181 7.398,14.243 8.687,12.954 8.687,9.542 10.262,7.968 10.262,5.148 11.201,4.208 11.201,3.632 12.748,2.086 14.828,2.086 15.537,2.794 16.645,2.794 17.353,2.086 21.811,2.086 22.342,2.616 27.399,2.616 28.363,3.581 28.931,3.581 44.603,3.581 47.342,6.32 59.748,6.32 70.159,16.731 70.159,21.496 73.324,24.66 v1(73.324,24.736)
  Bottom Layer w0.102: v1(8.239,41.527) 8.592,41.879 8.592,43.399 8.27,43.721 7.841,43.721 7.722,43.84 7.722,45.877 10.16,48.315 U1300.12@11.651,48.315
ECSPI2_MOSI_3V3: CON100.18 R1123.1 U1300.11 | length 121.9
  Top Layer w0.102: R1123.1@7.375,38.551 7.86,38.551 8.077,38.334 8.077,38.184 v1(8.134,38.127) ; v1@72.749,24.79 72.749,25.738 72.979,25.968 CON100.18@72.979,26.757
  Layer 2 w0.102: v1(8.134,38.127) 8.542,38.127 8.602,38.067 8.602,23.81 7.804,23.012 7.804,15.86 8.628,15.037 10.709,15.037 11.116,15.443 11.679,15.443 13.106,14.016 13.106,12.725 13.449,12.383 22.809,3.023 27.23,3.023 28.195,3.987 44.435,3.987 47.174,6.726 59.579,6.726 69.753,16.9 69.753,21.664 71.826,23.738 71.826,23.949 v1(72.608,24.731)
  Bottom Layer w0.102: v1(8.134,38.127) 8.433,38.425 8.433,40.138 8.862,40.567 8.862,43.462 8.404,43.92 8.357,43.92 8.354,43.924 7.985,43.924 7.925,43.983 7.925,45.484 9.486,47.045 U1300.11@11.651,47.045
ECSPI2_SCLK_3V3: CON100.14 R1127.1 U1300.10 | length 125.9
  Top Layer w0.102: R1127.1@7.375,44.068 8.241,44.068 8.446,44.273 v1(8.45,44.273) ; v1(73.363,25.267) 73.779,25.684 CON100.14@73.779,26.757 CON100.14@73.779,26.815
  Layer 2 w0.102: v1(8.45,44.273) 8.45,44.192 8.592,44.05 8.592,39.325 7.782,38.516 7.782,32.476 8.388,31.87 8.388,23.884 7.601,23.097 7.601,14.327 8.89,13.038 8.89,9.627 10.465,8.052 10.465,5.232 11.405,4.293 11.405,3.716 12.832,2.289 14.744,2.289 15.453,2.997 16.729,2.997 17.438,2.289 21.727,2.289 22.258,2.819 27.314,2.819 28.279,3.784 44.519,3.784 47.258,6.523 59.664,6.523 69.956,16.815 69.956,21.58 72.961,24.585 72.961,24.872 73.357,25.267 v1(73.363,25.267)
  Bottom Layer w0.102: v1(8.45,44.273) 8.45,45.026 9.199,45.775 U1300.10@11.651,45.775
ECSPI2_SS0_3V3: CON100.12 U1300.13 | length 129.9
  Top Layer w0.102: v1(74.032,24.805) 73.763,25.074 73.763,25.35 74.179,25.766 CON100.12@74.179,26.815
  Layer 2 w0.102: v1@7.411,42.424 6.991,42.005 6.991,13.804 7.645,13.15 7.645,10.46 8.28,9.825 8.28,9.374 9.855,7.799 9.855,4.98 10.795,4.04 10.795,3.464 12.58,1.679 21.98,1.679 22.51,2.21 26.862,2.21 27.399,1.673 43.27,1.673 47.511,5.914 59.916,5.914 70.565,16.563 70.565,21.252 73.377,24.063 73.437,24.063 73.883,24.51 73.883,24.575 74.032,24.725 v1(74.032,24.805)
  Bottom Layer w0.102: v1(7.42,42.415) 7.519,42.513 7.519,46.127 9.144,47.752 9.144,49.022 9.707,49.585 U1300.13@11.651,49.585
ECSPI2_SS1_1V8: CON101.100 Q1103.2 R1145.1 | length 103.2
  Top Layer w0.102: v1(0.737,44.729) 0.737,44.81 0.61,44.937 0.61,64.414 1.753,65.557 5.131,65.557 6.236,66.662 6.236,67.373 10.353,71.491 40.961,71.491 41.021,71.431 41.021,70.942 v1(41.072,70.891) ; v1(48.703,65.295) 49.819,65.295 50.073,65.549 52.685,65.549 54.977,63.257 55.561,63.257 56.413,62.404 56.747,62.404 57.395,61.757 CON101.100@60.279,61.757
  Top Layer w0.254: v1(5.817,44.755) 6.782,44.755 7.239,45.212 Q1103.2@8.636,45.212 9.007,45.212 9.156,45.361 R1145.1@9.156,46.182
  Layer 2 w0.102: v1(0.737,44.729) 1.42,44.729 1.453,44.762 5.809,44.762 v1(5.817,44.755)
  Bottom Layer w0.102: v1(41.072,70.891) 41.402,70.561 42.113,70.561 42.934,71.382 50.148,71.382 50.267,71.264 50.267,66.859 v1(48.703,65.295)
ECSPI2_SS1_3V3: Q1103.3 R1128.2 R1146.1 | length 3.7
  Top Layer w0.254: R1128.2@7.378,43.253 8.15,43.253 8.636,43.739 Q1103.3@9.271,43.739 9.881,43.739 10.219,44.077 10.708,44.077 R1146.1@10.73,44.099
ENET_INT_IN: CON100.42 R316.1 U300.31 | length 70.5
  Top Layer w0.102: v1(49.822,35.699) 50.492,35.028 56.389,35.028 59.006,32.412 60.468,32.412 v1(60.604,32.276) ; v1(68.091,26.098) 68.148,26.156 68.148,26.291 68.177,26.319 CON100.42@68.177,26.757
  Bottom Layer w0.102: U300.31@21.425,26.667 22.628,26.667 23.597,27.635 24.926,27.635 25.134,27.843 27.665,27.843 32.743,32.921 ; R316.1@22.874,32.415 24.44,32.415 24.714,32.69 31.852,32.69 32.083,32.921 32.743,32.921 ; v1(49.822,35.699) 49.353,35.23 43.561,35.23 41.252,32.921 32.743,32.921 ; v1(60.604,32.276) 61.031,32.703 61.031,33.906 61.447,34.322 64.788,34.322 65.583,33.527 65.583,32.791 68.135,30.238 68.135,26.143 v1(68.091,26.098)
ENET_MDC: CON102.18 TP307.1 U300.13 | length 61.4
  Top Layer w0.102: v1@14.3,24.333 14.326,24.359 14.326,25.527 13.97,25.883 13.97,26.687 15.121,27.838 16.162,27.838 16.688,28.364 16.688,31.521 15.799,32.41 15.799,35.019 19.823,39.043 34.403,39.043 42.171,46.811 46.768,46.811 47.63,47.674 47.63,47.869 48.577,48.815 49.758,48.815 50.182,48.391 50.182,45.455 49.823,45.096 CON102.18@49.239,45.096
  Bottom Layer w0.102: TP307.1@14.376,22.784 14.3,22.86 14.3,24.232 v1(14.326,24.257) 14.738,23.844 16.643,23.844 U300.13@16.662,23.825
ENET_MDIO: CON102.20 R340.2 TP308.1 U300.14 | length 64
  Top Layer w0.102: v1@15.011,24.181 14.707,23.876 14.173,23.876 13.767,24.282 13.767,26.772 15.037,28.042 16.078,28.042 16.485,28.448 16.485,31.437 15.596,32.326 15.596,35.103 19.739,39.246 34.318,39.246 42.113,47.041 46.71,47.041 47.398,47.729 47.398,47.996 48.421,49.018 49.868,49.018 50.436,48.45 50.436,45.309 49.823,44.696 CON102.20@49.239,44.696
  Bottom Layer w0.102: TP308.1@13.411,23.952 13.487,23.952 13.862,24.327 13.862,24.816 R340.2@14.091,25.044 ; R340.2@14.275,24.841 14.275,24.835 14.856,24.254 14.942,24.254 v1(15,24.197) 15.035,24.232 U300.14@16.535,24.232
ENET_nRST: CON100.40 Q300.2 | length 80.3
  Top Layer w0.102: v1(12.383,21.377) 12.383,21.908 Q300.2@12.471,21.996 ; v1(49.822,36.2) 50.791,35.231 56.473,35.231 59.09,32.615 60.389,32.615 v1(60.575,32.8) ; CON100.40@68.594,26.916 68.594,26.114 v1(68.609,26.098)
  Bottom Layer w0.102: v1(12.383,21.377) 11.684,22.077 11.684,26.213 14.021,28.55 14.021,29.845 14.351,30.175 14.351,32.653 16.242,34.544 20.472,34.544 22.111,32.906 25.082,32.906 25.301,33.124 41.151,33.124 43.459,35.433 49.055,35.433 49.786,36.165 v1@49.786,36.2 ; v1(60.575,32.8) 60.805,33.031 60.805,33.967 61.363,34.525 64.872,34.525 65.786,33.611 65.786,32.875 68.673,29.988 68.673,26.307 68.667,26.3 68.667,26.156 v1(68.609,26.098)
ENET_RD0: CON102.8 R326.1 TP305.1 | length 39.1
  Top Layer w0.152: R326.1@18.923,33.655 18.923,34.717 19.482,35.276 19.482,36.424 TP305.1@20.65,37.592 20.678,37.592 21.008,37.922 34.987,37.922 36.779,39.715 36.779,40.378 36.999,40.598 42.426,46.025 44.755,46.025 45.009,45.771 45.009,45.237 45.187,45.06 45.72,45.06 46.177,45.06 46.279,45.161 46.279,45.72 46.584,46.025 ; 46.645,46.025 46.584,46.025 ; CON102.8@49.239,47.096 49.214,47.071 48.787,47.071 48.652,46.936 48.075,46.936 47.164,46.025 46.584,46.025
ENET_RD1: CON102.10 R327.1 | length 38.9
  Top Layer w0.152: R327.1@19.736,33.68 19.736,36.101 19.973,36.338 21.303,37.668 35.092,37.668 37.033,39.609 37.033,40.273 40.913,44.152 42.531,45.771 42.774,45.771 42.989,45.555 42.989,44.971 43.205,44.755 43.637,44.755 43.84,44.958 43.84,45.517 43.993,45.669 44.196,45.669 45.06,44.806 46.304,44.806 48.18,46.682 49.225,46.682 CON102.10@49.239,46.696
ENET_RD2: CON102.12 R328.1 | length 36.5
  Top Layer w0.152: R328.1@20.549,33.604 20.549,34.442 19.99,35.001 19.99,35.995 21.409,37.414 35.197,37.414 37.287,39.504 37.287,40.165 37.487,40.364 ; 37.485,40.366 41.57,44.45 46.507,44.45 48.353,46.296 CON102.12@49.239,46.296
ENET_RD3: CON102.14 R329.1 | length 36.2
  Top Layer w0.152: R329.1@21.336,33.655 21.336,34.036 20.244,35.128 20.244,35.89 21.514,37.16 35.302,37.16 37.541,39.399 37.541,40.059 37.793,40.312 ; 37.792,40.313 41.675,44.196 46.633,44.196 48.333,45.896 CON102.14@49.239,45.896
ENET_RX_CTL: CON102.2 R325.1 | length 40.2
  Top Layer w0.152: R325.1@18.136,33.655 18.136,34.289 19.228,35.381 19.228,36.674 20.73,38.176 34.882,38.176 36.525,39.82 36.525,40.483 36.667,40.625 42.321,46.279 45.009,46.279 45.364,45.923 45.364,45.517 45.517,45.364 45.771,45.364 45.923,45.517 45.923,46.025 46.177,46.279 47.059,46.279 48.117,47.337 48.117,47.637 48.181,47.7 48.751,48.271 49.214,48.271 CON102.2@49.239,48.296
ENET_RXC: C310.1 CON102.4 R323.1 TP303.1 | length 41.8
  Top Layer w0.152: C310.1@17.286,34.463 17.286,33.59 R323.1@17.297,33.579 ; C310.1@17.323,34.442 17.348,34.468 17.955,34.468 18.974,35.487 18.974,37.186 20.361,38.573 20.433,38.573 20.443,38.583 34.62,38.583 36.17,40.133 36.17,40.487 42.216,46.533 46.954,46.533 47.863,47.442 47.863,47.742 48.697,48.576 49.668,48.576 49.842,48.402 49.842,47.986 49.752,47.896 CON102.4@49.239,47.896
ENET_TD0: CON102.9 TP309.1 U300.18 | length 53
  Top Layer w0.152: v1@16.027,25.883 17.29,25.883 20.411,29.004 22.622,29.004 23.47,29.852 23.47,34.221 24.273,35.024 35.876,35.024 39.573,38.721 39.573,39.7 41.972,42.099 41.972,42.102 42.076,42.207 42.08,42.207 42.103,42.23 52.695,42.23 53.755,43.29 53.755,45.77 52.828,46.696 CON102.9@52.319,46.696
  Bottom Layer w0.152: v1@16.078,25.908 16.124,25.862 16.72,25.862 U300.18@16.725,25.867
  other v1: 16.027,25.857
ENET_TD1: CON102.11 U300.17 | length 53.1
  Top Layer w0.152: v1@15.604,25.654 15.642,25.692 15.642,26.006 15.874,26.238 17.286,26.238 20.306,29.258 22.516,29.258 23.216,29.957 23.216,34.326 24.167,35.278 35.771,35.278 39.319,38.826 39.319,39.809 41.718,42.208 41.994,42.484 51.984,42.484 53.501,44.001 53.501,45.665 52.869,46.296 CON102.11@52.319,46.296
  Bottom Layer w0.152: v1@15.621,25.603 15.637,25.603 15.774,25.467 U300.17@16.725,25.467
  other v1: 15.596,25.578
ENET_TD2: CON102.13 U300.16 | length 53.3
  Top Layer w0.152: v1@15.164,25.273 15.215,25.324 15.215,25.977 15.73,26.492 17.181,26.492 20.201,29.512 22.411,29.512 22.962,30.062 22.962,34.431 24.062,35.532 35.666,35.532 39.065,38.931 39.065,39.914 41.464,42.313 41.889,42.738 51.429,42.738 53.247,44.556 53.247,45.553 52.903,45.896 CON102.13@52.319,45.896
  Bottom Layer w0.152: v1@15.189,25.273 15.256,25.273 15.463,25.067 U300.16@16.725,25.067
  other v1: 15.215,25.248
ENET_TD3: CON102.15 U300.15 | length 53.4
  Top Layer w0.152: v1@14.757,24.994 14.783,25.019 14.783,25.904 15.625,26.746 17.076,26.746 20.096,29.766 22.306,29.766 22.708,30.167 22.708,34.536 23.957,35.786 35.561,35.786 38.811,39.036 38.811,40.019 41.21,42.418 41.784,42.992 51.324,42.992 52.993,44.661 52.993,45.407 52.903,45.496 CON102.15@52.319,45.496
  Bottom Layer w0.152: v1(14.783,24.968) 14.786,24.968 15.087,24.667 16.558,24.667 U300.15@16.561,24.663
ENET_TX_CTL: CON102.1 U300.19 | length 54.9
  Top Layer w0.152: v1(14.326,26.213) 14.326,26.72 15.165,27.559 16.942,27.559 19.736,30.353 21.771,30.353 21.895,30.477 21.895,35.077 23.647,36.83 35.331,36.83 37.795,39.294 37.795,39.954 41.656,43.815 50.394,43.815 50.771,44.192 50.771,47.658 51.41,48.296 CON102.1@52.319,48.296
  Bottom Layer w0.152: v1@14.453,26.187 15.697,26.187 15.776,26.267 U300.19@16.725,26.267
ENET_TXC: CON102.5 TP306.1 U300.20 | length 53
  Top Layer w0.152: v1(14.729,26.565) 15.291,27.127 16.967,27.127 TP306.1@17.805,27.965 19.914,30.074 22.022,30.074 22.25,30.302 22.25,34.823 23.774,36.347 35.408,36.347 38.303,39.243 38.303,40.03 41.783,43.51 50.546,43.51 51.156,44.12 51.156,47.086 51.566,47.496 CON102.5@52.319,47.496
  Bottom Layer w0.152: v1@14.808,26.568 14.811,26.565 15.694,26.565 15.795,26.667 U300.20@16.675,26.667